# Allegro board 8880F5-0827_txbegin.brd (continued)
## Routing (per net, layer and track width the routed paths; a pad name or vN(x,y) marks a point on that pad's centre or on a via; arc(x,y) is an arc through that point) (continued)
D13212: length 311.9
  TOP w0.086: SITE1.167 237.68,239.63 237.6,239.55 233.45,239.55 232.28,240.72 231.43,240.72 v1(230.98,241.18)
  L03_SIGNAL w0.071: D132.12 111.77,40.63 111.77,42.74 115.3,46.27 125.82,46.27 134.47,54.91 134.47,179.14 146.43,191.1 175.37,191.1 189.53,205.27 189.53,229.56 205.77,245.79 213.04,245.79 213.46,245.37 213.46,244.43 213.01,243.98 212.1,243.98 212.03,244.05 v1(212.03,244.46)
  L30_SIGNAL w0.071: v1(212.03,244.46) 212.03,244.05 212.1,243.98 213.93,243.98 217.21,240.7 230.91,240.7 230.98,240.77 v1(230.98,241.18)
D13213: length 324.7
  TOP w0.086: v1(241.88,219.32) 241.42,219.77 241.42,226.55 244.95,230.08 244.95,231.4 245.03,231.48 SITE1.8
  L03_SIGNAL w0.071: D132.13 119.38,33.02 119.38,31.3 122.08,28.6 129.85,28.6 136.78,35.53 136.78,141.87 168.65,173.75 172.05,173.75 200.21,201.91 200.21,231.91 199.74,232.38 197.17,232.38 196.67,231.87 196.67,230.97 197.57,230.07 198.37,230.07 198.44,230 v1(198.44,229.6)
  L28_SIGNAL w0.071: v1(241.88,219.32) 241.47,219.32 241.4,219.24 241.4,218.21 240.73,217.54 236.97,217.54 235.35,219.16 228.33,219.16 221.14,226.35 203.69,226.35 199.97,230.07 198.51,230.07 198.44,230 v1(198.44,229.6)
D13214: length 296.8
  TOP w0.086: v1(244.03,222.06) 243.58,222.51 243.58,226.78 245.75,228.95 245.75,231.4 245.83,231.48 SITE1.10
  L03_SIGNAL w0.071: v1(195.26,229.6) 195.26,230 195.33,230.07 196.09,230.07 196.6,229.55 196.6,223.58 190.65,217.62 190.65,205.27 169.49,184.11 169.49,182.08 168.25,180.83 166.21,180.83 135.44,150.06 135.44,53.1 127.06,44.71 124.38,44.71 121.75,42.08 121.75,40.47 D132.14
  L30_SIGNAL w0.071: v1(244.03,222.06) 243.63,222.06 243.56,221.99 243.56,221.03 242.73,220.21 240.23,220.21 238.71,218.69 227.55,218.69 221.09,225.16 200.38,225.16 196.65,228.9 196.65,229.86 196.45,230.07 195.33,230.07 195.26,230 v1(195.26,229.6)
D13215: length 322.6
  TOP w0.086: SITE1.7 244.63,231.48 244.71,231.4 244.71,230.18 241.18,226.65 241.18,219.77 v1(240.73,219.32)
  L03_SIGNAL w0.071: D132.15 119.57,33.21 119.57,31.38 122.16,28.8 129.77,28.8 136.58,35.61 136.58,141.96 168.57,173.94 171.97,173.94 200.01,201.99 200.01,231.83 199.66,232.18 197.25,232.18 196.87,231.79 196.87,231.05 197.65,230.27 198.37,230.27 198.44,230.34 v1(198.44,230.74)
  L28_SIGNAL w0.071: v1(240.73,219.32) 241.13,219.32 241.2,219.24 241.2,218.29 240.65,217.74 237.05,217.74 235.43,219.36 228.41,219.36 221.22,226.55 203.78,226.55 200.06,230.27 198.51,230.27 198.44,230.34 v1(198.44,230.74)
D13216: length 296.9
  TOP w0.086: SITE1.9 245.43,231.48 245.51,231.4 245.51,229.05 243.34,226.88 243.34,222.51 v1(242.89,222.06)
  L03_SIGNAL w0.071: v1(195.26,230.74) 195.26,230.34 195.33,230.27 196.17,230.27 196.8,229.63 196.8,223.49 190.85,217.54 190.85,205.19 169.69,184.03 169.69,181.99 168.33,180.63 166.29,180.63 135.64,149.98 135.64,53.01 127.14,44.51 124.46,44.51 121.95,42 121.95,40.61 D132.16
  L30_SIGNAL w0.071: v1(195.26,230.74) 195.26,230.34 195.33,230.27 196.53,230.27 196.85,229.95 196.85,228.98 200.47,225.36 221.17,225.36 227.64,218.89 238.63,218.89 240.14,220.4 242.65,220.4 243.36,221.12 243.36,221.99 243.29,222.06 v1(242.89,222.06)
D30102: length 192.4
  TOP w0.147: SITE4.26 332.23,171.33 332.23,171.32 332.23,154.55 arc(332.21,154.42) 332.13,154.31 330.19,152.37 arc(330.08,152.3) 329.95,152.27 318.28,152.27 arc(317.99,152.21) 317.76,152.05 316.41,150.71 arc(316.25,150.47) 316.2,150.19 316.2,146.19 arc(316.25,145.9) 316.41,145.66 317.47,144.6 arc(317.71,144.44) 317.99,144.39 331.11,144.39 arc(331.25,144.36) 331.36,144.29 333.1,142.54 arc(333.18,142.43) 333.2,142.3 333.2,132.06 arc(333.18,131.93) 333.1,131.82 328.32,127.04 arc(328.21,126.97) 328.08,126.94 308.43,126.94 arc(308.03,126.86) 307.69,126.63 306.96,125.91 arc(306.74,125.57) 306.66,125.17 306.66,97.52 arc(306.75,97.03) 307.03,96.62 307.03,96.62 arc(307.63,96.22) 308.34,96.08 arc(309.04,96.22) 309.63,96.61 arc(309.9,97.01) 309.99,97.48 309.99,121.45 arc(310.05,121.72) 310.2,121.95 arc(310.63,122.24) 311.14,122.34 arc(311.63,122.25) 312.04,121.97 arc(312.18,121.76) 312.23,121.52 312.23,91.55 arc(312.17,91.27) 312.01,91.03 D301.02
D30104: length 192.4
  TOP w0.147: SITE4.27 332.63,171.33 332.63,171.32 332.63,154.55 arc(332.57,154.27) 332.41,154.03 330.47,152.09 arc(330.23,151.93) 329.95,151.87 318.28,151.87 arc(318.15,151.85) 318.04,151.77 316.69,150.43 arc(316.62,150.32) 316.59,150.19 316.59,146.19 arc(316.62,146.06) 316.69,145.94 317.75,144.88 arc(317.86,144.81) 317.99,144.79 331.11,144.79 arc(331.4,144.73) 331.64,144.57 333.38,142.82 arc(333.54,142.58) 333.6,142.3 333.6,132.06 arc(333.54,131.78) 333.38,131.54 328.6,126.76 arc(328.36,126.6) 328.08,126.54 308.43,126.54 arc(308.18,126.49) 307.97,126.35 307.24,125.63 arc(307.1,125.42) 307.05,125.17 307.05,97.52 arc(307.12,97.18) 307.31,96.9 307.31,96.9 arc(307.78,96.59) 308.34,96.47 arc(308.89,96.58) 309.35,96.89 arc(309.53,97.16) 309.6,97.48 309.6,121.45 arc(309.68,121.88) 309.92,122.23 arc(310.48,122.61) 311.14,122.74 arc(311.78,122.61) 312.32,122.25 arc(312.55,121.92) 312.62,121.52 312.62,91.54 arc(312.68,91.26) 312.84,91.02 D301.04
D30106: length 192.4
  TOP w0.147: D301.06 322.18,91.04 arc(322.34,91.28) 322.4,91.57 322.4,95.07 arc(322.32,95.49) 322.08,95.84 arc(321.73,96.07) 321.32,96.15 316.66,96.15 arc(316.17,96.25) 315.76,96.53 315.75,96.53 arc(315.24,97.31) 315.05,98.22 arc(315.23,99.12) 315.74,99.88 arc(316.14,100.15) 316.62,100.24 321.27,100.24 arc(321.4,100.27) 321.51,100.34 322.3,101.13 arc(322.37,101.24) 322.4,101.37 322.4,122.89 arc(322.46,123.17) 322.62,123.41 323.15,123.95 arc(323.39,124.11) 323.67,124.16 324.64,124.16 arc(324.92,124.11) 325.16,123.95 325.83,123.28 arc(325.99,123.04) 326.05,122.75 326.05,95.92 arc(326.1,95.64) 326.26,95.41 arc(326.69,95.11) 327.21,95.01 327.43,95.01 arc(327.96,95.12) 328.4,95.41 arc(328.56,95.65) 328.61,95.93 328.61,123.08 arc(328.67,123.36) 328.83,123.6 335.73,130.5 arc(335.8,130.61) 335.83,130.74 335.83,145.03 arc(335.8,145.16) 335.73,145.27 334.69,146.31 arc(334.58,146.38) 334.45,146.41 319.65,146.41 arc(319.37,146.46) 319.13,146.62 318.65,147.11 arc(318.49,147.35) 318.43,147.63 318.43,148.81 arc(318.49,149.09) 318.65,149.33 318.99,149.67 arc(319.23,149.83) 319.51,149.89 330.73,149.89 arc(330.86,149.91) 330.97,149.99 334.49,153.51 arc(334.56,153.62) 334.59,153.75 334.59,165.93 arc(334.56,166.06) 334.49,166.17 333.65,167.01 arc(333.49,167.25) 333.43,167.53 333.43,171.32 333.43,171.33 SITE4.29
D30108: length 192.4
  TOP w0.147: D301.08 323.01,91.01 arc(322.85,91.25) 322.8,91.53 322.8,95.07 arc(322.68,95.64) 322.36,96.12 arc(321.88,96.44) 321.32,96.55 316.66,96.55 arc(316.32,96.62) 316.04,96.81 316.03,96.81 arc(315.6,97.46) 315.45,98.22 arc(315.6,98.97) 316.02,99.6 arc(316.3,99.78) 316.62,99.85 321.27,99.85 arc(321.55,99.9) 321.79,100.06 322.58,100.85 arc(322.74,101.09) 322.8,101.37 322.8,122.89 arc(322.82,123.02) 322.9,123.13 323.43,123.67 arc(323.54,123.74) 323.67,123.77 324.64,123.77 arc(324.77,123.74) 324.88,123.67 325.55,123 arc(325.62,122.88) 325.65,122.75 325.65,95.92 arc(325.73,95.49) 325.98,95.13 arc(326.54,94.75) 327.21,94.61 327.44,94.61 arc(328.11,94.75) 328.68,95.13 arc(328.92,95.5) 329.01,95.93 329.01,123.08 arc(329.04,123.21) 329.11,123.32 336.01,130.22 arc(336.17,130.46) 336.22,130.74 336.22,145.03 arc(336.17,145.31) 336.01,145.55 334.97,146.59 arc(334.73,146.75) 334.45,146.8 319.65,146.8 arc(319.52,146.83) 319.41,146.9 318.93,147.39 arc(318.85,147.5) 318.83,147.63 318.83,148.81 arc(318.85,148.94) 318.93,149.05 319.27,149.39 arc(319.38,149.46) 319.51,149.49 330.73,149.49 arc(331.01,149.55) 331.25,149.7 334.77,153.23 arc(334.93,153.47) 334.99,153.75 334.99,165.93 arc(334.93,166.21) 334.77,166.45 333.93,167.29 arc(333.85,167.4) 333.83,167.53 333.83,171.32 333.83,171.33 SITE4.30
D30110: length 192.4
  TOP w0.147: D301.10 332.3,91 arc(332.46,91.24) 332.52,91.52 332.52,123.31 arc(332.6,123.73) 332.84,124.09 arc(333.41,124.48) 334.09,124.61 arc(334.75,124.48) 335.31,124.1 335.32,124.1 arc(335.54,123.76) 335.62,123.36 335.62,95.4 arc(335.67,95.17) 335.8,94.98 arc(336.26,94.67) 336.81,94.56 arc(337.43,94.68) 337.95,95.03 arc(338.12,95.28) 338.18,95.57 338.18,145.87 arc(338.23,146.16) 338.39,146.4 340.45,148.45 arc(340.69,148.61) 340.97,148.67 346.73,148.67 arc(347,148.72) 347.23,148.87 347.28,148.92 arc(347.52,149.29) 347.61,149.73 arc(347.52,150.17) 347.27,150.55 347.27,150.55 arc(347.04,150.7) 346.77,150.76 339.36,150.76 arc(339.08,150.81) 338.84,150.97 338.47,151.34 arc(338.31,151.59) 338.25,151.88 338.25,152.52 arc(338.31,152.81) 338.47,153.06 338.85,153.44 arc(339.09,153.6) 339.37,153.65 353.04,153.65 arc(353.17,153.68) 353.28,153.75 353.56,154.03 arc(353.62,154.12) 353.64,154.22 353.64,154.91 arc(353.61,155.04) 353.54,155.16 353.21,155.48 arc(353.1,155.56) 352.97,155.58 344.23,155.58 arc(343.95,155.64) 343.71,155.8 338.57,160.94 arc(338.45,161.12) 338.41,161.32 338.41,165.42 arc(338.39,165.55) 338.31,165.66 334.85,169.13 arc(334.69,169.37) 334.63,169.65 334.63,171.32 334.63,171.33 SITE4.32
D30112: length 192.4
  TOP w0.147: SITE4.33 335.03,171.33 335.03,171.32 335.03,169.65 arc(335.05,169.52) 335.13,169.41 338.59,165.94 arc(338.75,165.71) 338.81,165.42 338.81,161.32 arc(338.82,161.27) 338.85,161.22 343.99,156.08 arc(344.1,156) 344.23,155.98 352.97,155.98 arc(353.25,155.92) 353.49,155.76 353.82,155.44 arc(353.98,155.2) 354.04,154.91 354.04,154.22 arc(353.99,153.97) 353.84,153.75 353.7,153.61 353.56,153.47 arc(353.32,153.31) 353.04,153.26 339.37,153.26 arc(339.24,153.23) 339.13,153.16 338.76,152.78 arc(338.67,152.66) 338.65,152.52 338.65,151.88 arc(338.67,151.74) 338.76,151.62 339.12,151.25 arc(339.23,151.18) 339.36,151.15 346.77,151.15 arc(347.2,151.07) 347.55,150.83 arc(347.89,150.33) 348.01,149.73 arc(347.89,149.14) 347.56,148.64 347.51,148.59 arc(347.15,148.35) 346.73,148.27 340.97,148.27 arc(340.84,148.24) 340.73,148.17 338.67,146.11 arc(338.6,146) 338.57,145.87 338.57,95.57 arc(338.49,95.13) 338.23,94.75 arc(337.58,94.31) 336.81,94.16 arc(336.11,94.3) 335.52,94.7 arc(335.3,95.02) 335.23,95.4 335.23,123.36 arc(335.18,123.61) 335.03,123.82 arc(334.6,124.11) 334.09,124.21 arc(333.57,124.11) 333.12,123.81 arc(332.97,123.58) 332.91,123.31 332.91,91.57 arc(332.97,91.29) 333.13,91.05 D301.12
D30114: length 192.4
  TOP w0.147: SITE4.35 335.83,171.33 335.83,171.32 335.83,170.95 340.71,166.08 arc(340.78,165.97) 340.81,165.84 340.81,163.51 arc(340.86,163.23) 341.02,162.99 345.97,158.05 arc(346.21,157.89) 346.49,157.83 360.65,157.83 arc(360.78,157.8) 360.89,157.73 361.66,156.96 arc(361.73,156.85) 361.76,156.72 361.76,153.4 arc(361.73,153.27) 361.66,153.15 361.15,152.64 arc(361.04,152.57) 360.91,152.54 357.95,152.54 arc(357.67,152.49) 357.43,152.33 348.72,143.62 arc(348.61,143.55) 348.48,143.52 342.4,143.52 arc(342.12,143.46) 341.88,143.3 341.02,142.44 arc(340.86,142.2) 340.81,141.92 340.81,128.25 arc(340.91,127.74) 341.19,127.31 341.19,127.31 arc(341.62,127.02) 342.13,126.92 348.02,126.92 arc(348.34,126.86) 348.61,126.68 348.61,126.68 arc(348.79,126.41) 348.85,126.09 348.85,94.24 arc(348.83,94.11) 348.75,94 348.75,93.99 348.46,93.71 arc(348.02,93.41) 347.5,93.31 arc(346.99,93.41) 346.55,93.71 346.2,94.05 arc(346.13,94.16) 346.1,94.29 346.1,123.35 arc(346.02,123.79) 345.77,124.15 345.77,124.15 arc(345.18,124.55) 344.49,124.68 344.32,124.68 arc(343.62,124.54) 343.03,124.15 arc(342.77,123.77) 342.69,123.33 342.69,91.53 arc(342.63,91.25) 342.47,91.01 D301.14
D30116: length 192.4
  TOP w0.147: SITE4.36 336.23,171.33 336.23,171.32 336.23,171.12 340.99,166.36 arc(341.15,166.12) 341.2,165.84 341.2,163.51 arc(341.23,163.38) 341.3,163.27 346.25,158.33 arc(346.36,158.25) 346.49,158.23 360.65,158.23 arc(360.93,158.17) 361.17,158.01 361.94,157.24 arc(362.1,157) 362.15,156.72 362.15,153.4 arc(362.1,153.11) 361.94,152.87 361.43,152.36 arc(361.19,152.2) 360.91,152.15 357.95,152.15 arc(357.82,152.12) 357.71,152.05 349.01,143.34 arc(348.77,143.18) 348.48,143.12 342.4,143.12 arc(342.27,143.1) 342.16,143.02 341.3,142.16 arc(341.23,142.05) 341.2,141.92 341.2,128.25 arc(341.27,127.89) 341.47,127.59 341.47,127.59 arc(341.77,127.39) 342.13,127.32 348.02,127.32 arc(348.49,127.23) 348.89,126.96 arc(349.15,126.56) 349.25,126.09 349.25,94.24 arc(349.19,93.95) 349.03,93.71 348.74,93.43 arc(348.17,93.05) 347.5,92.91 arc(346.83,93.05) 346.27,93.43 345.92,93.77 arc(345.76,94.01) 345.71,94.29 345.71,123.35 arc(345.65,123.63) 345.49,123.87 345.49,123.87 arc(345.03,124.18) 344.49,124.29 344.32,124.29 arc(343.77,124.18) 343.31,123.87 343.31,123.87 arc(343.14,123.62) 343.08,123.33 343.08,91.56 arc(343.14,91.28) 343.3,91.04 D301.16
D30502: length 192.4
  TOP w0.147: SITE2.26 332.23,231.33 332.23,231.32 332.23,219.76 arc(332.29,219.48) 332.45,219.24 339.52,212.17 arc(340.09,211.79) 340.76,211.66 355.4,211.66 arc(355.46,211.64) 355.51,211.61 363.26,203.86 arc(363.34,203.74) 363.36,203.61 363.36,157.18 arc(363.42,156.9) 363.58,156.66 370.12,150.11 arc(370.2,150) 370.22,149.87 370.22,134.19 arc(370.28,133.9) 370.44,133.66 385.85,118.25 arc(385.92,118.14) 385.95,118.01 385.95,102.48 arc(386,102.2) 386.16,101.96 386.98,101.14 arc(387.22,100.98) 387.5,100.93 393.91,100.93 arc(394.36,100.84) 394.75,100.58 395.1,100.22 arc(395.74,99.27) 395.96,98.15 395.96,98.15 arc(395.79,97.27) 395.29,96.52 394.59,95.82 arc(394.41,95.7) 394.19,95.66 387.9,95.66 arc(387.62,95.6) 387.38,95.44 386.07,94.13 arc(385.91,93.89) 385.85,93.61 385.85,91.52 arc(385.8,91.24) 385.64,91 D305.02
D30504: length 192.4
  TOP w0.147: SITE2.27 332.63,231.33 332.63,231.32 332.63,219.76 arc(332.65,219.63) 332.73,219.52 339.8,212.45 arc(340.24,212.16) 340.76,212.05 355.4,212.05 arc(355.61,212.01) 355.79,211.89 363.54,204.14 arc(363.7,203.9) 363.76,203.61 363.76,157.18 arc(363.78,157.05) 363.86,156.94 370.4,150.39 arc(370.56,150.16) 370.62,149.87 370.62,134.19 arc(370.64,134.05) 370.72,133.94 386.13,118.53 arc(386.29,118.29) 386.34,118.01 386.34,102.48 arc(386.37,102.35) 386.44,102.24 387.26,101.42 arc(387.37,101.35) 387.5,101.32 393.91,101.32 arc(394.52,101.2) 395.03,100.86 395.38,100.51 arc(396.11,99.43) 396.36,98.15 396.36,98.15 arc(396.15,97.12) 395.57,96.24 394.87,95.54 arc(394.56,95.34) 394.19,95.26 387.9,95.26 arc(387.77,95.24) 387.66,95.16 386.35,93.85 arc(386.28,93.74) 386.25,93.61 386.25,91.57 arc(386.31,91.29) 386.47,91.05 D305.04
D30506: length 192.4
  TOP w0.147: SITE2.29 333.43,231.33 333.43,231.32 333.43,221.42 arc(333.49,221.14) 333.65,220.9 340.55,213.99 arc(340.79,213.83) 341.07,213.78 355.94,213.78 arc(356.07,213.75) 356.18,213.68 365.46,204.4 arc(365.54,204.29) 365.56,204.16 365.56,158.21 arc(365.62,157.93) 365.78,157.69 372.97,150.5 arc(373.04,150.39) 373.07,150.26 373.07,134.17 arc(373.12,133.89) 373.28,133.65 395.84,111.09 arc(395.92,110.98) 395.94,110.85 395.94,103.3 arc(396,103.02) 396.16,102.78 398.21,100.73 arc(398.45,100.57) 398.73,100.52 402.65,100.52 arc(403.24,100.4) 403.74,100.07 arc(404.31,99.21) 404.51,98.2 404.51,97.73 arc(404.38,97.08) 404.01,96.52 403.43,95.95 arc(403.23,95.81) 403,95.77 398.42,95.77 arc(398.14,95.71) 397.9,95.55 396.23,93.88 arc(396.07,93.64) 396.01,93.35 396.01,91.52 arc(395.96,91.24) 395.8,91 D305.06
D30508: length 192.4
  TOP w0.147: D305.08 396.63,91.05 arc(396.47,91.29) 396.41,91.58 396.41,93.35 arc(396.44,93.48) 396.51,93.6 398.18,95.27 arc(398.29,95.34) 398.42,95.37 403,95.37 arc(403.39,95.45) 403.71,95.67 404.29,96.24 arc(404.75,96.93) 404.91,97.73 404.91,98.2 arc(404.68,99.36) 404.02,100.35 404.02,100.35 arc(403.39,100.76) 402.65,100.91 398.73,100.91 arc(398.6,100.94) 398.49,101.01 396.44,103.06 arc(396.37,103.17) 396.34,103.3 396.34,110.85 arc(396.28,111.13) 396.12,111.37 373.56,133.93 arc(373.49,134.04) 373.46,134.17 373.46,150.26 arc(373.41,150.54) 373.25,150.78 366.06,157.97 arc(365.98,158.08) 365.96,158.21 365.96,204.16 arc(365.9,204.44) 365.74,204.68 356.46,213.96 arc(356.22,214.12) 355.94,214.17 341.07,214.17 arc(340.94,214.2) 340.83,214.27 333.93,221.18 arc(333.85,221.29) 333.83,221.42 333.83,231.32 333.83,231.33 SITE2.30
D30510: length 192.4
  TOP w0.147: SITE2.32 334.63,231.33 334.63,231.32 334.63,229.76 arc(334.69,229.47) 334.85,229.24 338.3,225.79 arc(338.37,225.67) 338.4,225.54 338.4,219.84 arc(338.45,219.56) 338.61,219.32 342.01,215.92 arc(342.25,215.76) 342.53,215.7 357.87,215.7 arc(358,215.68) 358.11,215.6 367.82,205.89 arc(367.9,205.78) 367.92,205.65 367.92,159.78 arc(367.98,159.49) 368.14,159.26 375.88,151.51 arc(375.95,151.4) 375.98,151.27 375.98,133.97 arc(376.04,133.68) 376.2,133.44 406.02,103.62 arc(406.09,103.51) 406.12,103.38 406.12,101.65 arc(406.17,101.37) 406.33,101.13 407.18,100.28 arc(407.42,100.12) 407.7,100.07 410.32,100.07 arc(410.82,99.97) 411.24,99.69 arc(411.82,98.82) 412.03,97.79 412.03,97.79 arc(411.86,96.94) 411.38,96.22 arc(411.11,96.04) 410.79,95.97 407.86,95.97 arc(407.55,95.91) 407.29,95.74 406.42,94.87 arc(406.25,94.61) 406.19,94.3 406.19,91.53 arc(406.13,91.25) 405.97,91.01 D305.10
D30512: length 192.4
  TOP w0.147: SITE2.33 335.03,231.33 335.03,231.32 335.03,229.76 arc(335.05,229.63) 335.13,229.52 338.58,226.07 arc(338.74,225.83) 338.79,225.54 338.79,219.84 arc(338.82,219.71) 338.89,219.6 342.29,216.2 arc(342.4,216.12) 342.53,216.1 357.87,216.1 arc(358.15,216.04) 358.39,215.88 368.1,206.17 arc(368.26,205.93) 368.32,205.65 368.32,159.78 arc(368.35,159.65) 368.42,159.54 376.16,151.79 arc(376.32,151.56) 376.38,151.27 376.38,133.97 arc(376.4,133.84) 376.48,133.72 406.3,103.9 arc(406.46,103.67) 406.51,103.38 406.51,101.65 arc(406.54,101.52) 406.61,101.41 407.46,100.56 arc(407.57,100.49) 407.7,100.46 410.32,100.46 arc(410.97,100.34) 411.52,99.97 411.52,99.97 arc(412.19,98.97) 412.42,97.79 412.42,97.79 arc(412.22,96.79) 411.66,95.94 arc(411.26,95.67) 410.79,95.58 407.86,95.58 arc(407.7,95.55) 407.57,95.46 406.71,94.59 arc(406.61,94.46) 406.58,94.3 406.58,91.56 arc(406.64,91.28) 406.8,91.04 D305.12
D30514: length 192.4
  TOP w0.147: SITE2.35 335.83,231.33 335.83,231.32 335.83,230.95 340.67,226.11 arc(340.75,226) 340.77,225.87 340.77,220.87 arc(340.83,220.59) 340.99,220.35 343.49,217.85 arc(343.73,217.69) 344.01,217.63 359.3,217.63 arc(359.44,217.61) 359.55,217.53 370.26,206.82 arc(370.33,206.71) 370.36,206.58 370.36,161.11 arc(370.41,160.82) 370.57,160.58 378.75,152.41 arc(378.82,152.3) 378.85,152.17 378.85,133.76 arc(378.9,133.48) 379.06,133.24 385.97,126.33 arc(386.21,126.17) 386.49,126.11 393.9,126.11 arc(394.7,125.95) 395.38,125.5 415.74,105.14 arc(416.2,104.46) 416.36,103.65 416.36,91.54 arc(416.3,91.26) 416.14,91.02 D305.14
D30516: length 192.4
  TOP w0.147: D305.16 416.97,91.03 arc(416.81,91.27) 416.76,91.55 416.76,103.65 arc(416.57,104.61) 416.03,105.42 395.66,125.78 arc(394.86,126.32) 393.9,126.51 386.49,126.51 arc(386.36,126.54) 386.25,126.61 379.34,133.52 arc(379.27,133.63) 379.24,133.76 379.24,152.17 arc(379.19,152.45) 379.03,152.69 370.85,160.86 arc(370.78,160.98) 370.75,161.11 370.75,206.58 arc(370.7,206.86) 370.54,207.1 359.83,217.81 arc(359.59,217.97) 359.3,218.03 344.01,218.03 arc(343.88,218.05) 343.77,218.13 341.27,220.63 arc(341.2,220.74) 341.17,220.87 341.17,225.87 arc(341.11,226.15) 340.95,226.39 336.23,231.12 336.23,231.32 336.23,231.33 SITE2.36
D31702: length 192.4
  TOP w0.147: D317.02 164.7,91.04 arc(164.86,91.27) 164.91,91.56 164.91,95.29 arc(164.89,95.42) 164.81,95.53 164.03,96.32 arc(163.91,96.39) 163.78,96.42 157,96.42 arc(156.71,96.47) 156.47,96.63 155.8,97.31 arc(155.07,98.39) 154.82,99.67 arc(155.13,101.25) 156.03,102.59 156.08,102.64 arc(156.58,102.97) 157.16,103.09 163.5,103.09 arc(163.63,103.11) 163.74,103.19 164.81,104.26 arc(164.89,104.37) 164.91,104.5 164.91,105.59 arc(164.89,105.72) 164.81,105.83 163.8,106.84 arc(163.69,106.91) 163.56,106.94 157.81,106.94 arc(157.52,107) 157.29,107.15 155.37,109.07 arc(155.21,109.31) 155.15,109.59 155.15,125.04 arc(155.21,125.32) 155.37,125.56 156.82,127.02 arc(157.06,127.18) 157.34,127.23 192.08,127.23 arc(192.21,127.26) 192.32,127.33 201.84,136.86 arc(202.08,137.01) 202.36,137.07 223.86,137.07 arc(223.99,137.1) 224.1,137.17 228.16,141.23 arc(228.23,141.34) 228.26,141.47 228.26,147.03 arc(228.31,147.31) 228.47,147.55 232.83,151.91 arc(233.05,152.06) 233.3,152.11 249.72,152.11 arc(249.88,152.14) 250.01,152.23 252.13,154.35 arc(252.21,154.46) 252.23,154.59 252.23,171.32 252.23,171.33 SITE3.26
D31704: length 192.4
  TOP w0.147: SITE3.27 252.63,171.33 252.63,171.32 252.63,154.59 arc(252.57,154.31) 252.41,154.07 250.29,151.95 arc(250.03,151.77) 249.72,151.71 233.3,151.71 arc(233.2,151.69) 233.11,151.63 228.75,147.27 arc(228.68,147.16) 228.65,147.03 228.65,141.47 arc(228.6,141.18) 228.44,140.95 224.38,136.89 arc(224.14,136.73) 223.86,136.67 202.36,136.67 arc(202.23,136.65) 202.12,136.58 192.6,127.05 arc(192.36,126.89) 192.08,126.83 157.34,126.83 arc(157.21,126.81) 157.1,126.73 155.65,125.28 arc(155.58,125.17) 155.55,125.04 155.55,109.59 arc(155.58,109.46) 155.65,109.35 157.57,107.44 arc(157.68,107.36) 157.81,107.34 163.56,107.34 arc(163.84,107.28) 164.08,107.12 165.09,106.11 arc(165.25,105.87) 165.31,105.59 165.31,104.5 arc(165.25,104.22) 165.09,103.98 164.02,102.91 arc(163.78,102.75) 163.5,102.69 157.16,102.69 arc(156.73,102.61) 156.36,102.36 156.31,102.31 arc(155.5,101.1) 155.22,99.67 arc(155.44,98.54) 156.08,97.59 156.75,96.91 arc(156.86,96.84) 157,96.81 163.78,96.81 arc(164.07,96.76) 164.31,96.6 165.09,95.81 arc(165.25,95.57) 165.31,95.29 165.31,91.54 arc(165.36,91.26) 165.52,91.02 D317.04
D31706: length 192.4
  TOP w0.147: SITE3.29 253.43,171.33 253.43,171.32 253.43,167.46 arc(253.49,167.18) 253.65,166.94 254.62,165.97 arc(254.69,165.86) 254.72,165.73 254.72,153.91 arc(254.69,153.78) 254.62,153.67 250.73,149.78 arc(250.62,149.71) 250.49,149.68 234.4,149.68 arc(234.12,149.63) 233.88,149.47 230.88,146.47 arc(230.72,146.23) 230.67,145.95 230.67,140.34 arc(230.64,140.21) 230.57,140.1 225.29,134.82 arc(225.18,134.75) 225.05,134.72 202.88,134.72 arc(202.6,134.67) 202.36,134.51 193.09,125.24 arc(192.98,125.17) 192.85,125.14 159.57,125.14 arc(159.29,125.08) 159.05,124.93 157.66,123.54 arc(157.5,123.3) 157.45,123.02 157.45,111.6 arc(157.5,111.32) 157.66,111.08 159.28,109.46 arc(159.52,109.3) 159.81,109.24 172.43,109.24 arc(172.56,109.22) 172.67,109.14 174.97,106.84 arc(175.04,106.73) 175.07,106.6 175.07,104.63 arc(175.04,104.5) 174.97,104.39 173.61,103.04 arc(173.5,102.96) 173.37,102.94 170.84,102.94 arc(170.14,102.8) 169.55,102.4 169.41,102.26 arc(168.5,100.07) 169.41,97.88 170.08,97.21 arc(170.32,97.05) 170.6,96.99 173.7,96.99 arc(173.83,96.97) 173.95,96.89 174.97,95.87 arc(175.04,95.76) 175.07,95.63 175.07,91.55 arc(175.01,91.27) 174.85,91.03 D317.06
D31708: length 192.4
  TOP w0.147: D317.08 175.68,91.02 arc(175.52,91.26) 175.46,91.54 175.46,95.63 arc(175.41,95.91) 175.25,96.15 174.23,97.17 arc(173.99,97.33) 173.7,97.39 170.6,97.39 arc(170.47,97.41) 170.36,97.49 169.69,98.16 arc(168.9,100.07) 169.69,101.98 169.83,102.12 arc(170.29,102.43) 170.84,102.54 173.37,102.54 arc(173.66,102.6) 173.89,102.76 175.25,104.11 arc(175.41,104.35) 175.46,104.63 175.46,106.6 arc(175.41,106.88) 175.25,107.12 172.95,109.42 arc(172.71,109.58) 172.43,109.64 159.81,109.64 arc(159.67,109.67) 159.56,109.74 157.94,111.36 arc(157.87,111.47) 157.84,111.6 157.84,123.02 arc(157.87,123.15) 157.94,123.26 159.33,124.64 arc(159.44,124.72) 159.57,124.74 192.85,124.74 arc(193.13,124.8) 193.37,124.96 202.64,134.23 arc(202.75,134.3) 202.88,134.33 225.05,134.33 arc(225.33,134.38) 225.57,134.54 230.85,139.82 arc(231.01,140.05) 231.06,140.34 231.06,145.95 arc(231.09,146.08) 231.16,146.19 234.16,149.19 arc(234.27,149.26) 234.4,149.29 250.49,149.29 arc(250.77,149.34) 251.01,149.5 254.9,153.39 arc(255.06,153.63) 255.11,153.91 255.11,165.73 arc(255.06,166.01) 254.9,166.25 253.93,167.22 arc(253.85,167.33) 253.83,167.46 253.83,171.32 253.83,171.33 SITE3.30
D31710: length 192.4
  TOP w0.147: D317.10 184.98,91 arc(185.14,91.24) 185.2,91.52 185.2,106.54 arc(185.17,106.67) 185.1,106.78 180.38,111.49 arc(180.27,111.57) 180.14,111.59 161,111.59 arc(160.71,111.65) 160.47,111.81 159.94,112.35 arc(159.78,112.59) 159.72,112.87 159.72,121.35 arc(159.78,121.63) 159.94,121.87 160.53,122.46 arc(160.77,122.62) 161.05,122.68 193.81,122.68 arc(193.94,122.71) 194.05,122.78 203.26,131.99 arc(203.5,132.15) 203.78,132.21 226.63,132.21 arc(227.74,132.43) 228.68,133.05 232.15,136.52 arc(232.78,137.46) 233,138.57 233,138.57 233,144.66 arc(233.06,144.94) 233.21,145.18 235.06,147.02 arc(235.3,147.18) 235.58,147.24 251.91,147.24 arc(252.04,147.26) 252.15,147.34 258.03,153.22 arc(258.11,153.33) 258.13,153.46 258.13,166.26 arc(258.11,166.39) 258.03,166.5 254.85,169.69 arc(254.69,169.93) 254.63,170.21 254.63,171.32 254.63,171.33 SITE3.32
D31712: length 192.4
  TOP w0.147: D317.12 185.81,91.05 arc(185.65,91.29) 185.6,91.57 185.6,106.54 arc(185.54,106.82) 185.38,107.06 180.66,111.77 arc(180.42,111.93) 180.14,111.99 161,111.99 arc(160.87,112.01) 160.75,112.09 160.22,112.63 arc(160.14,112.74) 160.12,112.87 160.12,121.35 arc(160.14,121.48) 160.22,121.59 160.81,122.18 arc(160.92,122.26) 161.05,122.28 193.81,122.28 arc(194.09,122.34) 194.33,122.5 203.54,131.71 arc(203.65,131.78) 203.78,131.81 226.63,131.81 arc(227.89,132.06) 228.96,132.77 232.43,136.24 arc(233.15,137.31) 233.4,138.57 233.4,144.66 arc(233.42,144.79) 233.5,144.9 235.34,146.74 arc(235.45,146.82) 235.58,146.84 251.91,146.84 arc(252.19,146.9) 252.43,147.06 258.31,152.94 arc(258.47,153.18) 258.53,153.46 258.53,166.26 arc(258.47,166.55) 258.31,166.79 255.13,169.97 arc(255.05,170.08) 255.03,170.21 255.03,171.32 255.03,171.33 SITE3.33
D31714: length 192.4
  TOP w0.147: D317.14 195.14,91 arc(195.3,91.24) 195.36,91.52 195.36,99.55 arc(195.33,99.68) 195.26,99.79 181.22,113.83 arc(181.11,113.9) 180.98,113.93 164.32,113.93 arc(164.03,113.98) 163.79,114.14 163.21,114.72 arc(163.05,114.96) 163,115.24 163,118.79 arc(163.05,119.07) 163.21,119.31 164.03,120.12 arc(164.27,120.28) 164.55,120.34 195.52,120.34 arc(195.65,120.36) 195.76,120.44 205.36,130.04 arc(205.6,130.2) 205.88,130.25 228.64,130.25 arc(229.73,130.47) 230.66,131.09 234.67,135.09 arc(235.28,136.02) 235.5,137.11 235.5,143.23 arc(235.56,143.51) 235.72,143.75 237.01,145.04 arc(237.25,145.2) 237.53,145.26 253.04,145.26 arc(253.17,145.29) 253.28,145.36 260.49,152.56 arc(260.56,152.67) 260.59,152.8 260.59,165.95 arc(260.56,166.08) 260.49,166.19 255.99,170.69 arc(255.87,170.87) 255.83,171.08 255.83,171.32 255.83,171.33 SITE3.35
D31716: length 192.4
  TOP w0.147: SITE3.36 256.23,171.33 256.23,171.32 256.23,171.08 arc(256.24,171.02) 256.27,170.97 260.77,166.48 arc(260.93,166.24) 260.98,165.95 260.98,152.8 arc(260.93,152.52) 260.77,152.28 253.57,145.08 arc(253.33,144.92) 253.04,144.86 237.53,144.86 arc(237.4,144.84) 237.29,144.76 236,143.47 arc(235.92,143.36) 235.9,143.23 235.9,137.11 arc(235.65,135.87) 234.95,134.81 230.94,130.81 arc(229.88,130.1) 228.64,129.85 205.88,129.85 arc(205.75,129.83) 205.64,129.76 196.04,120.16 arc(195.8,120) 195.52,119.94 164.55,119.94 arc(164.42,119.92) 164.31,119.84 163.49,119.03 arc(163.42,118.92) 163.39,118.79 163.39,115.24 arc(163.42,115.11) 163.49,115 164.07,114.42 arc(164.18,114.35) 164.32,114.32 180.98,114.32 arc(181.26,114.27) 181.5,114.11 195.54,100.07 arc(195.7,99.83) 195.75,99.55 195.75,91.57 arc(195.81,91.29) 195.97,91.05 D317.16
D32102: length 192.4
  TOP w0.147: SITE1.26 252.23,231.33 252.23,231.32 252.23,218.64 arc(252.29,218.35) 252.45,218.11 258.81,211.76 arc(259.04,211.6) 259.33,211.54 281.18,211.54 arc(281.72,211.43) 282.19,211.12 286.16,207.15 arc(286.47,206.69) 286.58,206.14 286.58,147.05 arc(286.55,146.92) 286.48,146.81 238.81,99.14 arc(238.65,98.9) 238.59,98.62 238.59,91.58 arc(238.54,91.3) 238.38,91.06 D321.02
D32104: length 192.4
  TOP w0.147: SITE1.27 252.63,231.33 252.63,231.32 252.63,218.64 arc(252.65,218.51) 252.73,218.39 259.09,212.04 arc(259.2,211.96) 259.33,211.94 281.18,211.94 arc(281.88,211.8) 282.47,211.4 286.44,207.43 arc(286.84,206.84) 286.98,206.14 286.98,147.05 arc(286.92,146.77) 286.76,146.53 239.09,98.86 arc(239.01,98.75) 238.99,98.62 238.99,91.52 arc(239.04,91.23) 239.2,91 D321.04
D32106: length 192.4
  TOP w0.147: D321.06 248.52,91.04 arc(248.68,91.28) 248.74,91.56 248.74,94.12 arc(248.79,94.4) 248.95,94.64 251.97,97.66 arc(252.4,98.31) 252.55,99.08 252.55,99.2 arc(252.4,99.97) 251.97,100.62 248.9,103.68 arc(248.74,103.92) 248.69,104.2 248.69,105.39 arc(248.74,105.67) 248.9,105.91 288.87,145.87 arc(288.94,145.98) 288.97,146.11 288.97,207.52 arc(288.94,207.65) 288.87,207.76 283.19,213.44 arc(283.08,213.51) 282.95,213.54 261.24,213.54 arc(260.95,213.59) 260.72,213.75 253.65,220.82 arc(253.49,221.06) 253.43,221.34 253.43,231.32 253.43,231.33 SITE1.29
D32108: length 192.4
  TOP w0.147: SITE1.30 253.83,231.33 253.83,231.32 253.83,221.34 arc(253.85,221.21) 253.93,221.1 261,214.03 arc(261.11,213.96) 261.24,213.93 282.95,213.93 arc(283.23,213.88) 283.47,213.72 289.15,208.04 arc(289.31,207.8) 289.36,207.52 289.36,146.11 arc(289.31,145.83) 289.15,145.59 249.18,105.63 arc(249.11,105.52) 249.08,105.39 249.08,104.2 arc(249.11,104.07) 249.18,103.96 252.25,100.9 arc(252.77,100.12) 252.95,99.2 252.95,99.08 arc(252.77,98.16) 252.25,97.38 249.23,94.36 arc(249.16,94.25) 249.13,94.12 249.13,91.53 arc(249.19,91.25) 249.35,91.01 D321.08
D32110: length 192.4
  TOP w0.147: D321.10 258.65,91.01 arc(258.81,91.25) 258.86,91.53 258.86,94.57 arc(258.92,94.85) 259.08,95.09 260.55,96.56 arc(260.79,96.72) 261.07,96.78 261.8,96.78 arc(262.36,96.89) 262.84,97.21 262.91,97.28 arc(263.23,97.75) 263.34,98.31 263.34,100.27 arc(263.2,100.94) 262.82,101.51 arc(262.25,101.89) 261.58,102.02 260.61,102.02 arc(260.33,102.08) 260.09,102.24 259.08,103.25 arc(258.92,103.49) 258.86,103.77 258.86,111.55 arc(258.92,111.83) 259.08,112.07 291.24,144.23 arc(291.31,144.34) 291.34,144.47 291.34,209.33 arc(291.31,209.46) 291.24,209.57 285.33,215.48 arc(285.22,215.55) 285.09,215.58 262.86,215.58 arc(262.58,215.64) 262.34,215.8 258.45,219.69 arc(258.29,219.93) 258.23,220.21 258.23,225.64 arc(258.2,225.77) 258.13,225.88 254.85,229.16 arc(254.69,229.4) 254.63,229.68 254.63,231.32 254.63,231.33 SITE1.32
D32112: length 192.4
  TOP w0.147: D321.12 259.48,91.04 arc(259.32,91.28) 259.26,91.56 259.26,94.57 arc(259.29,94.7) 259.36,94.81 260.83,96.28 arc(260.94,96.35) 261.07,96.38 261.8,96.38 arc(262.51,96.52) 263.12,96.93 263.19,97 arc(263.59,97.6) 263.73,98.31 263.73,100.27 arc(263.57,101.09) 263.1,101.79 arc(262.41,102.26) 261.58,102.42 260.61,102.42 arc(260.48,102.45) 260.37,102.52 259.36,103.53 arc(259.29,103.64) 259.26,103.77 259.26,111.55 arc(259.29,111.68) 259.36,111.79 291.52,143.95 arc(291.68,144.19) 291.74,144.47 291.74,209.33 arc(291.68,209.61) 291.52,209.85 285.61,215.76 arc(285.37,215.92) 285.09,215.98 262.86,215.98 arc(262.73,216) 262.62,216.08 258.73,219.97 arc(258.65,220.08) 258.63,220.21 258.63,225.64 arc(258.57,225.92) 258.41,226.16 255.13,229.44 arc(255.05,229.55) 255.03,229.68 255.03,231.32 255.03,231.33 SITE1.33
D32114: length 192.4
  TOP w0.147: SITE1.35 255.83,231.33 255.83,231.32 255.83,231.2 arc(255.88,230.97) 256.01,230.77 260.62,226.16 arc(260.7,226.05) 260.72,225.92 260.72,221.41 arc(260.78,221.13) 260.94,220.89 264.07,217.75 arc(264.31,217.59) 264.6,217.54 286.83,217.54 arc(286.96,217.51) 287.07,217.44 293.83,210.68 arc(293.9,210.57) 293.93,210.44 293.93,144.28 arc(293.9,144.15) 293.83,144.04 269.26,119.47 arc(269.1,119.23) 269.04,118.95 269.04,104.17 arc(269.1,103.89) 269.26,103.65 270.56,102.34 arc(270.8,102.18) 271.08,102.13 273.29,102.13 arc(273.42,102.1) 273.53,102.03 274.2,101.36 arc(274.81,100.45) 275.02,99.37 275.02,98.96 arc(274.81,97.88) 274.2,96.97 273.69,96.47 arc(273.58,96.39) 273.45,96.37 270.69,96.37 arc(270.41,96.31) 270.17,96.15 269.26,95.23 arc(269.1,95) 269.04,94.71 269.04,91.55 arc(268.98,91.26) 268.82,91.02 D321.14
D32116: length 192.4
  TOP w0.147: SITE1.36 256.23,231.33 256.23,231.32 256.23,231.2 arc(256.24,231.12) 256.29,231.06 260.9,226.44 arc(261.06,226.2) 261.12,225.92 261.12,221.41 arc(261.14,221.28) 261.22,221.17 264.35,218.03 arc(264.47,217.96) 264.6,217.93 286.83,217.93 arc(287.11,217.88) 287.35,217.72 294.11,210.96 arc(294.27,210.72) 294.32,210.44 294.32,144.28 arc(294.27,144) 294.11,143.76 269.54,119.19 arc(269.46,119.08) 269.44,118.95 269.44,104.17 arc(269.46,104.04) 269.54,103.93 270.84,102.62 arc(270.95,102.55) 271.08,102.52 273.29,102.52 arc(273.57,102.47) 273.81,102.31 274.48,101.64 arc(275.18,100.6) 275.42,99.37 275.42,98.96 arc(275.18,97.73) 274.48,96.69 273.97,96.18 arc(273.73,96.02) 273.45,95.97 270.69,95.97 arc(270.56,95.94) 270.45,95.87 269.54,94.95 arc(269.46,94.84) 269.44,94.71 269.44,91.55 arc(269.49,91.27) 269.65,91.03 D321.16
Net_652: length 3
  BOTTOM w0.119: 192.47,190.12 194.3,190.12 194.78,190.59 195.26,190.59
Net_653: length 3
  BOTTOM w0.119: 195.26,187.45 194.78,187.45 194.3,187.92 192.47,187.92
S1_1AUX+:
  vias: v1(221.73,229.11)
S1_1AUX-:
  vias: v1(218.45,229.11)
S1_1TX_100DCH001+: length 97.5
  L32_SIGNAL w0.071: v1(267.84,277.62) 267.84,276.27 267.92,276.2 294.65,276.2 312,293.55 345.88,293.55 350.38,298.04 350.38,299.58 350.31,299.66 v1(349.9,299.66)
  BOTTOM w0.119: v1(267.84,277.62) K43.6
S1_1TX_100DCH001-: length 97.8
  L32_SIGNAL w0.071: v1(267.84,274.58) 267.84,275.93 267.92,276 294.73,276 312.08,293.35 345.96,293.35 350.58,297.96 350.58,299.58 350.65,299.66 v1(351.05,299.66)
  BOTTOM w0.119: v1(267.84,274.58) K43.3
S1_1TX_100DCH002+: length 118.9
  TOP w0.086: v1(277.52,247.66) 277.07,248.11 264.06,248.11 263.98,248.03 SITE1.75
  L32_SIGNAL w0.071: v1(349.9,286.07) 350.31,286.07 350.38,286.14 350.38,287.39 349.85,287.92 346.08,287.92 340.47,282.3 307.09,282.3 303.68,278.9 303.68,269.81 301.06,267.18 288.61,267.18 284.92,263.49 284.92,252.45 280.6,248.13 277.59,248.13 277.52,248.06 v1(277.52,247.66)
S1_1TX_100DCH002-: length 119.3
  TOP w0.086: SITE1.76 263.98,248.43 264.06,248.35 277.07,248.35 v1(277.52,248.8)
  L32_SIGNAL w0.071: v1(351.05,286.07) 350.65,286.07 350.57,286.14 350.57,287.48 349.93,288.12 346,288.12 340.39,282.5 307.01,282.5 303.49,278.98 303.49,269.89 300.97,267.38 288.52,267.38 284.72,263.57 284.72,252.53 280.52,248.33 277.59,248.33 277.52,248.4 v1(277.52,248.8)
S1_1TX_100DCH003+: length 108.9
  TOP w0.086: SITE1.79 263.98,249.63 264.06,249.71 269.05,249.71 269.94,250.59 273.35,250.59 v1(273.81,250.14)
  L30_SIGNAL w0.071: v1(336.44,299.66) 336.84,299.66 336.91,299.73 336.91,301.73 335.95,302.7 331.55,302.7 323.02,294.17 313.01,294.17 303.63,284.78 303.63,269.66 301.59,267.63 298.9,267.63 281.88,250.61 273.88,250.61 273.81,250.54 v1(273.81,250.14)
S1_1TX_100DCH003-: length 109.3
  TOP w0.086: v1(273.81,251.28) 273.35,250.83 269.84,250.83 268.95,249.95 264.06,249.95 263.98,250.03 SITE1.80
  L30_SIGNAL w0.071: v1(273.81,251.28) 273.81,250.88 273.88,250.81 281.8,250.81 298.82,267.83 301.51,267.83 303.43,269.75 303.43,284.86 312.93,294.36 322.94,294.36 331.47,302.9 336.03,302.9 337.11,301.82 337.11,299.73 337.18,299.66 v1(337.59,299.66)
S1_1TX_100DCH004+: length 96.7
  TOP w0.086: v1(277.52,252.08) 277.07,252.53 270.02,252.53 267.99,250.51 264.06,250.51 263.98,250.43 SITE1.81
  L28_SIGNAL w0.071: v1(277.52,252.08) 277.52,252.48 277.59,252.55 280.39,252.55 300.12,272.28 300.12,278.29 306.09,284.26 330.76,284.26 334.75,288.25 336.45,288.25 336.91,287.79 336.91,286.14 336.84,286.07 v1(336.44,286.07)
S1_1TX_100DCH004-: length 97.1
  TOP w0.086: v1(277.52,253.22) 277.07,252.77 269.92,252.77 267.9,250.75 264.06,250.75 263.98,250.83 SITE1.82
  L28_SIGNAL w0.071: v1(277.52,253.22) 277.52,252.82 277.59,252.75 280.31,252.75 299.92,272.36 299.92,278.38 306,284.46 330.68,284.46 334.67,288.45 336.53,288.45 337.11,287.87 337.11,286.14 337.18,286.07 v1(337.59,286.07)
S1_1TX_100DCH005+: length 94.2
  TOP w0.086: v1(273.81,253.77) 273.35,254.22 269.53,254.22 266.61,251.31 264.06,251.31 263.98,251.23 SITE1.83
  L30_SIGNAL w0.071: v1(322.98,299.66) 323.38,299.66 323.45,299.73 323.45,301.03 322.98,301.5 317.46,301.5 309.96,294 303.49,294 299.52,290.04 299.52,273.63 280.14,254.24 273.88,254.24 273.81,254.17 v1(273.81,253.77)
S1_1TX_100DCH005-: length 94.5
  TOP w0.086: v1(273.81,254.92) 273.35,254.46 269.43,254.46 266.51,251.55 264.06,251.55 263.98,251.63 SITE1.84
  L30_SIGNAL w0.071: v1(273.81,254.92) 273.81,254.51 273.88,254.44 280.06,254.44 299.33,273.71 299.33,290.12 303.4,294.2 309.88,294.2 317.38,301.7 323.06,301.7 323.65,301.11 323.65,299.73 323.72,299.66 v1(324.12,299.66)
S1_1TX_100DCH006+: length 84.2
  TOP w0.086: SITE1.85 263.98,252.03 264.06,252.11 265.74,252.11 270.12,256.49 277.07,256.49 v1(277.52,256.03)
  L28_SIGNAL w0.071: v1(277.52,256.03) 277.52,256.44 277.59,256.51 282.25,256.51 298.95,273.21 298.95,278.76 310.94,290.74 320.12,290.74 323.45,287.41 323.45,286.14 323.38,286.07 v1(322.98,286.07)
S1_1TX_100DCH006-: length 84.5
  TOP w0.086: v1(277.52,257.18) 277.07,256.73 270.02,256.73 265.64,252.35 264.06,252.35 263.98,252.43 SITE1.86
  L28_SIGNAL w0.071: v1(324.12,286.07) 323.72,286.07 323.65,286.14 323.65,287.49 320.2,290.94 310.85,290.94 298.75,278.84 298.75,273.29 282.16,256.7 277.59,256.7 277.52,256.78 v1(277.52,257.18)
S1_1TX_100DCH007+: length 34.1
  TOP w0.086: SITE1.87 263.98,252.83 264.06,252.91 264.96,252.91 270.67,258.62 273.35,258.62 v1(273.81,258.17)
  L30_SIGNAL w0.071: v1(273.81,258.17) 273.81,258.57 273.88,258.64 279.03,258.64 286.91,266.52 286.91,269.23 286.98,269.3 v1(287.38,269.3)
S1_1TX_100DCH007-: length 33.7
  TOP w0.086: SITE1.88 263.98,253.23 264.06,253.15 264.86,253.15 270.57,258.86 273.35,258.86 v1(273.81,259.31)
  L30_SIGNAL w0.071: v1(286.24,269.3) 286.64,269.3 286.71,269.23 286.71,266.6 278.95,258.84 273.88,258.84 273.81,258.91 v1(273.81,259.31)
S1_2AUX+:
  vias: v1(184.65,132.33) v1(184.65,131.06) v1(220.73,229.11) v1(220.73,227.84)
S1_2AUX-:
  vias: v1(181.11,131.06) v1(182.11,132.33) v1(219.45,229.11) v1(219.45,227.84)
S1_2TX_100DCH001+: length 46.3
  TOP w0.086: v1(266.32,268.6) 265.87,268.15 265.87,265.63 265.31,265.07 265.31,262.18 263.95,260.83 261.74,260.83 259.35,258.44 259.35,257.86 259.43,257.78 SITE1.89
  L28_SIGNAL w0.071: v1(287.38,282.89) 286.98,282.89 286.91,282.82 286.91,281.08 276.72,270.89 266.94,270.89 265.85,269.79 265.85,268.68 265.92,268.6 v1(266.32,268.6)
S1_2TX_100DCH001-: length 46.3
  TOP w0.086: SITE1.90 259.03,257.78 259.11,257.86 259.11,258.53 261.64,261.07 263.85,261.07 265.07,262.28 265.07,265.17 265.63,265.73 265.63,268.15 v1(265.18,268.6)
  L28_SIGNAL w0.071: v1(265.18,268.6) 265.58,268.6 265.65,268.68 265.65,269.87 266.86,271.09 276.64,271.09 286.71,281.16 286.71,282.82 286.64,282.89 v1(286.24,282.89)
S1_2TX_100DCH002+: length 87.5
  TOP w0.086: v1(264.67,266.34) 264.22,265.88 264.22,262.77 263.16,261.72 261.27,261.72 258.55,259 258.55,257.86 258.63,257.78 SITE1.91
  L30_SIGNAL w0.071: v1(264.67,266.34) 264.27,266.34 264.2,266.41 264.2,270.05 262.89,271.36 262.89,280.33 266.13,283.57 277.04,283.57 287.47,294 296.28,294 304.39,302.11 309.17,302.11 310.24,301.03 310.24,299.73 310.17,299.66 v1(309.77,299.66)
S1_2TX_100DCH002-: length 88.1
  TOP w0.086: v1(263.52,266.34) 263.98,265.88 263.98,262.87 263.07,261.96 261.17,261.96 258.31,259.1 258.31,257.86 258.23,257.78 SITE1.92
  L30_SIGNAL w0.071: v1(263.52,266.34) 263.93,266.34 264,266.41 264,269.97 262.69,271.28 262.69,280.41 266.04,283.76 276.96,283.76 287.39,294.2 296.2,294.2 304.31,302.3 309.25,302.3 310.44,301.11 310.44,299.73 310.51,299.66 v1(310.92,299.66)
S1_2TX_100DCH003+: length 75.5
  TOP w0.086: v1(263.07,268.6) 262.61,268.15 262.61,264.3 257.75,259.44 257.75,257.86 257.83,257.78 SITE1.93
  L32_SIGNAL w0.071: v1(263.07,268.6) 262.66,268.6 262.59,268.68 262.59,269.77 263.41,270.59 295.99,270.59 300.24,274.84 300.24,278.81 309.11,287.68 309.92,287.68 310.24,287.35 310.24,286.14 310.17,286.07 v1(309.77,286.07)
S1_2TX_100DCH003-: length 76.2
  TOP w0.086: SITE1.94 257.43,257.78 257.51,257.86 257.51,259.54 262.37,264.4 262.37,268.15 v1(261.92,268.6)
  L32_SIGNAL w0.071: v1(261.92,268.6) 262.32,268.6 262.39,268.68 262.39,269.85 263.33,270.79 295.91,270.79 300.04,274.92 300.04,278.89 309.03,287.87 310,287.87 310.44,287.44 310.44,286.14 310.51,286.07 v1(310.92,286.07)
S1_2TX_100DCH004+: length 73.9
  TOP w0.086: v1(261.36,267.09) 260.9,266.64 260.9,263.67 256.95,259.72 256.95,257.86 257.03,257.78 SITE1.95
  L28_SIGNAL w0.071: v1(296.56,299.66) 296.97,299.66 297.04,299.58 297.04,298.53 295.82,297.31 295.82,288.99 289.67,282.84 289.67,279.39 280.24,269.96 268.85,269.96 265.84,266.94 265.84,265.98 264.89,265.03 261.73,265.03 260.88,265.88 260.88,267.02 260.96,267.09 v1(261.36,267.09)
S1_2TX_100DCH004-: length 74.5
  TOP w0.086: v1(260.21,267.09) 260.67,266.64 260.67,263.77 256.71,259.82 256.71,257.86 256.63,257.78 SITE1.96
  L28_SIGNAL w0.071: v1(260.21,267.09) 260.62,267.09 260.69,267.02 260.69,265.79 261.65,264.84 264.97,264.84 266.04,265.9 266.04,266.86 268.94,269.76 280.32,269.76 289.87,279.31 289.87,282.76 296.01,288.91 296.01,297.22 297.24,298.44 297.24,299.58 297.31,299.66 v1(297.71,299.66)
S1_2TX_100DCH005+: length 68.4
  TOP w0.086: SITE1.98 255.83,257.78 255.75,257.86 255.75,261.37 258.54,264.15 258.54,268.38 v1(258.99,268.83)
  L32_SIGNAL w0.071: v1(258.99,268.83) 258.59,268.83 258.52,268.9 258.52,279.23 262.59,283.3 284.43,283.3 288.59,287.46 296.51,287.46 297.04,286.94 297.04,286.14 296.97,286.07 v1(296.56,286.07)
S1_2TX_100DCH005-: length 69
  TOP w0.086: SITE1.99 255.43,257.78 255.51,257.86 255.51,261.47 258.3,264.25 258.3,268.38 v1(257.84,268.83)
  L32_SIGNAL w0.071: v1(257.84,268.83) 258.25,268.83 258.32,268.9 258.32,279.31 262.5,283.5 284.35,283.5 288.5,287.66 296.6,287.66 297.23,287.02 297.23,286.14 297.31,286.07 v1(297.71,286.07)
S1_2TX_100DCH006+: length 92.3
  TOP w0.086: v1(257.1,271.07) 256.65,270.62 256.65,268.9 257.04,268.51 257.04,263.68 254.95,261.59 254.95,257.86 255.03,257.78 SITE1.100
  L28_SIGNAL w0.071: v1(283.1,299.66) 283.5,299.66 283.57,299.58 283.57,298.45 280.06,294.93 273.28,294.93 265.34,286.99 260.98,286.99 253.33,279.34 253.33,275.64 246.56,268.87 246.56,263.8 247.44,262.92 254.82,262.92 256.63,264.72 256.63,271 256.7,271.07 v1(257.1,271.07)
S1_2TX_100DCH006-: length 91.6
  TOP w0.086: SITE1.101 254.63,257.78 254.71,257.86 254.71,261.69 256.8,263.78 256.8,268.41 256.41,268.8 256.41,270.62 v1(255.96,271.07)
  L28_SIGNAL w0.071: v1(255.96,271.07) 256.36,271.07 256.43,271 256.43,264.81 254.74,263.12 247.52,263.12 246.76,263.88 246.76,268.79 253.53,275.56 253.53,279.26 261.07,286.79 265.42,286.79 273.37,294.74 280.14,294.74 283.77,298.37 283.77,299.58 283.84,299.66 v1(284.25,299.66)
S1_2TX_100DCH007+: length 59.3
  TOP w0.086: SITE1.102 254.23,257.78 254.15,257.86 254.15,261.95 255.98,263.78 255.98,268.13 254.78,269.33 v1(254.78,269.97)
  L32_SIGNAL w0.071: v1(254.78,269.97) 254.5,269.69 254.4,269.69 253.64,270.45 253.64,277.66 263.41,287.43 282.95,287.43 283.57,286.81 283.57,286.14 283.5,286.07 v1(283.1,286.07)
S1_2TX_100DCH007-: length 60
  TOP w0.086: v1(253.98,269.17) 254.61,269.17 255.74,268.03 255.74,263.88 253.91,262.05 253.91,257.86 253.83,257.78 SITE1.103
  L32_SIGNAL w0.071: v1(284.25,286.07) 283.84,286.07 283.77,286.14 283.77,286.89 283.03,287.63 263.33,287.63 253.44,277.74 253.44,270.37 254.26,269.55 254.26,269.45 v1(253.98,269.17)
S1_3TX_100DCH002+: length 46.6
  TOP w0.086: v1(249.8,268.11) 249.35,267.66 249.35,257.86 249.43,257.78 SITE1.114
  L30_SIGNAL w0.071: v1(249.8,268.11) 249.4,268.11 249.33,268.18 249.33,272.77 264.69,288.13 269.59,288.13 270.11,287.61 270.11,286.14 270.04,286.07 v1(269.64,286.07)
S1_3TX_100DCH002-: length 47.3
  TOP w0.086: SITE1.115 249.03,257.78 249.11,257.86 249.11,267.66 v1(248.66,268.11)
  L30_SIGNAL w0.071: v1(248.66,268.11) 249.06,268.11 249.13,268.18 249.13,272.85 264.61,288.33 269.67,288.33 270.31,287.69 270.31,286.14 270.38,286.07 v1(270.78,286.07)
S1_3TX_100DCH003+: length 60.6
  TOP w0.086: v1(247.41,271.17) 246.96,270.72 246.96,268.41 248.55,266.82 248.55,257.86 248.63,257.78 SITE1.116
  L28_SIGNAL w0.071: v1(256.43,299.66) 256.83,299.66 256.9,299.73 256.9,299.83 256.9,299.83 256.9,302.07 255.33,303.65 249.81,303.65 246.94,300.78 246.94,271.24 247.01,271.17 v1(247.41,271.17)
S1_3TX_100DCH003-: length 61.3
  TOP w0.086: SITE1.117 248.23,257.78 248.31,257.86 248.31,266.72 246.72,268.31 246.72,270.72 v1(246.26,271.17)
  L28_SIGNAL w0.071: v1(257.58,299.66) 257.17,299.66 257.1,299.73 257.1,299.91 257.1,299.91 257.1,302.16 255.41,303.85 249.72,303.85 246.74,300.86 246.74,271.24 246.67,271.17 v1(246.26,271.17)
S1_3TX_100DCH004+: length 42.4
  TOP w0.086: v1(245.36,269.08) 244.91,268.63 244.91,266.21 246.95,264.17 246.95,257.86 247.03,257.78 SITE1.120
  L30_SIGNAL w0.071: v1(256.43,286.07) 256.83,286.07 256.9,286.14 256.9,287.6 256.17,288.34 254.48,288.34 244.89,278.74 244.89,269.16 244.96,269.08 v1(245.36,269.08)
S1_3TX_100DCH004-: length 43
  TOP w0.086: v1(244.22,269.08) 244.67,268.63 244.67,266.11 246.71,264.07 246.71,257.86 246.63,257.78 SITE1.121
  L30_SIGNAL w0.071: v1(244.22,269.08) 244.62,269.08 244.69,269.16 244.69,278.83 254.4,288.54 256.25,288.54 257.1,287.68 257.1,286.14 257.17,286.07 v1(257.58,286.07)
S1_3TX_100DCH005+: length 34
  TOP w0.086: v1(245.11,263.69) 244.65,263.24 244.65,262.03 246.15,260.53 246.15,257.86 246.23,257.78 SITE1.122
  L32_SIGNAL w0.071: v1(238.87,285.81) 238.47,285.81 238.4,285.74 238.4,282.79 243.29,277.9 243.29,267.68 244.63,266.34 244.63,263.76 244.7,263.69 v1(245.11,263.69)
S1_3TX_100DCH005-: length 34
  TOP w0.086: SITE1.123 245.83,257.78 245.91,257.86 245.91,260.44 244.42,261.93 244.42,263.24 v1(243.96,263.69)
  L32_SIGNAL w0.071: v1(237.72,285.81) 238.13,285.81 238.2,285.74 238.2,282.71 243.1,277.81 243.1,267.59 244.44,266.25 244.44,263.76 244.36,263.69 v1(243.96,263.69)
S1_3TX_100DCH006+: length 49
  TOP w0.086: v1(242.12,269.08) 241.66,268.63 241.66,266.13 242.87,264.93 242.87,262.13 245.35,259.65 245.35,257.86 245.43,257.78 SITE1.124
  L28_SIGNAL w0.071: v1(242.12,269.08) 241.71,269.08 241.64,269.16 241.64,273.99 236.29,279.34 236.29,295.65 238.4,297.75 238.4,299.33 238.47,299.4 v1(238.87,299.4)
S1_3TX_100DCH006-: length 49
  TOP w0.086: SITE1.125 245.03,257.78 245.11,257.86 245.11,259.55 242.63,262.03 242.63,264.83 241.43,266.04 241.43,268.63 v1(240.97,269.08)
  L28_SIGNAL w0.071: v1(237.72,299.4) 238.13,299.4 238.2,299.33 238.2,297.83 236.1,295.73 236.1,279.26 241.45,273.91 241.45,269.16 241.37,269.08 v1(240.97,269.08)
S1_3TX_100DCH007+: length 68.9
  TOP w0.086: SITE1.126 244.63,257.78 244.55,257.86 244.55,258.72 241.08,262.2 241.08,263.24 v1(241.53,263.69)
  L32_SIGNAL w0.071: v1(241.53,263.69) 241.13,263.69 241.06,263.62 241.06,260.72 235.4,255.06 227.63,255.06 225.92,256.78 215.45,256.78 213.26,254.58 194.62,254.58 193.17,256.02 193.17,257.11 193.76,257.7 195.19,257.7 195.26,257.77 v1(195.26,258.17)
S1_3TX_100DCH007-: length 67.9
  TOP w0.086: v1(240.39,263.69) 240.84,263.24 240.84,262.1 244.31,258.63 244.31,257.86 244.23,257.78 SITE1.127
  L32_SIGNAL w0.071: v1(195.26,257.03) 195.26,257.43 195.19,257.5 193.85,257.5 193.37,257.03 193.37,256.1 194.7,254.78 213.17,254.78 215.37,256.97 226,256.97 227.71,255.26 235.31,255.26 240.86,260.81 240.86,263.62 240.79,263.69 v1(240.39,263.69)
S1_4TX_100DCH001+: length 80.1
  TOP w0.086: v1(238.79,269.08) 238.34,268.63 238.34,268.16 239.3,267.2 239.3,262.62 243.35,258.57 243.35,257.86 243.43,257.78 SITE1.129
  L30_SIGNAL w0.071: v1(181.67,258.17) 181.67,257.77 181.75,257.7 183.4,257.7 185.88,260.18 216.2,260.18 226.39,270.37 233.38,270.37 234.31,271.3 237.47,271.3 238.32,270.46 238.32,269.16 238.39,269.08 v1(238.79,269.08)
S1_4TX_100DCH001-: length 79.8
  TOP w0.086: SITE1.130 243.03,257.78 243.11,257.86 243.11,258.47 239.06,262.52 239.06,267.1 238.1,268.06 238.1,268.63 v1(237.64,269.08)
  L30_SIGNAL w0.071: v1(237.64,269.08) 238.05,269.08 238.12,269.16 238.12,270.37 237.39,271.11 234.4,271.11 233.46,270.17 226.47,270.17 216.28,259.98 185.96,259.98 183.48,257.5 181.75,257.5 181.67,257.43 v1(181.67,257.03)
S1_4TX_100DCH002+: length 49.9
  TOP w0.086: SITE1.131 242.63,257.78 242.55,257.86 242.55,258.26 237.11,263.7 237.11,264.97 v1(237.56,265.42)
  L32_SIGNAL w0.071: v1(211.77,258.17) 211.77,257.77 211.7,257.7 210.95,257.7 210.35,258.3 210.35,259.37 211.98,260.99 226.33,260.99 228.7,258.62 235.89,258.62 237.09,259.82 237.09,265.35 237.16,265.42 v1(237.56,265.42)
S1_4TX_100DCH002-: length 50.2
  TOP w0.086: SITE1.132 242.23,257.78 242.31,257.86 242.31,258.16 236.87,263.6 236.87,264.97 v1(236.42,265.42)
  L32_SIGNAL w0.071: v1(211.77,257.03) 211.77,257.43 211.7,257.5 210.87,257.5 210.16,258.21 210.16,259.45 211.89,261.19 226.41,261.19 228.78,258.82 235.81,258.82 236.89,259.9 236.89,265.35 236.82,265.42 v1(236.42,265.42)
S1_4TX_100DCH003+: length 46.8
  TOP w0.086: SITE1.133 237.68,253.23 237.6,253.15 237.23,253.15 231.06,259.32 226.27,259.32 v1(225.81,259.77)
  L28_SIGNAL w0.071: v1(225.81,259.77) 225.81,259.37 225.74,259.3 220.05,259.3 218.37,260.97 202.51,260.97 199.23,257.7 198.26,257.7 198.18,257.77 v1(198.18,258.17)
S1_4TX_100DCH003-: length 46.8
  TOP w0.086: v1(225.81,258.63) 226.27,259.08 230.96,259.08 237.13,252.91 237.6,252.91 237.68,252.83 SITE1.134
  L28_SIGNAL w0.071: v1(225.81,258.63) 225.81,259.03 225.74,259.1 219.97,259.1 218.29,260.78 202.59,260.78 199.31,257.5 198.26,257.5 198.18,257.43 v1(198.18,257.03)
S1_4TX_100DCH004+: length 67.1
  TOP w0.086: v1(228.57,257.65) 229.02,257.2 231.68,257.2 236.53,252.35 237.6,252.35 237.68,252.43 SITE1.135
  L30_SIGNAL w0.071: v1(178.5,258.17) 178.5,257.77 178.57,257.7 179.58,257.7 180.18,257.11 180.18,255.88 181.56,254.5 213.1,254.5 215.78,257.18 228.49,257.18 228.57,257.25 v1(228.57,257.65)
S1_4TX_100DCH004-: length 67.1
  TOP w0.086: SITE1.136 237.68,252.03 237.6,252.11 236.43,252.11 231.58,256.96 229.02,256.96 v1(228.57,256.51)
  L30_SIGNAL w0.071: v1(228.57,256.51) 228.57,256.91 228.49,256.98 215.86,256.98 213.18,254.3 181.48,254.3 179.98,255.8 179.98,257.02 179.5,257.5 178.57,257.5 178.5,257.43 v1(178.5,257.03)
S1_4TX_100DCH005+: length 78.1
  TOP w0.086: v1(225.81,255.53) 226.27,255.08 232.64,255.08 236.17,251.55 237.6,251.55 237.68,251.63 SITE1.137
  L28_SIGNAL w0.071: v1(164.91,258.17) 164.91,257.77 164.98,257.7 165.94,257.7 168.58,255.06 225.74,255.06 225.81,255.13 v1(225.81,255.53)
